# KiCad board poly_kb_molecule_16x5.kicad_pcb (continued)
## Routing (per net, layer and track width the routed paths; a pad name or vN(x,y) marks a point on that pad's centre or on a via; arc(x,y) is an arc through that point) (continued)
174.68,64.53 174.68,67.96 174.99,68.27 174.99,68.57 175.45,69.02 175.45,72.12 176.9,73.57 177.92,73.57 179.64,75.29 183.74,75.29 v1(183.8,75.34) ; v1(31.4,37.24) 31.34,37.19 27.24,37.19 25.52,35.47 24.48,35.47 24.02,35 24.02,34.98 23.05,34.02 23.05,30.92 22.59,30.47 22.59,30.17 22.28,29.86 22.28,26.43 22.68,26.03 22.68,24.73 22.81,24.6 23.27,24.6 23.27,24.6 23.49,24.6 23.61,24.72 24.88,24.72 25.02,24.86 ; v1(299.89,63.07) 300.08,62.88 300.08,61.72 301.88,59.92 v1(301.88,59.56) ; 291.72,43.91 291.58,43.77 290.31,43.77 290.19,43.65 289.97,43.65 289.97,43.65 289.51,43.65 289.38,43.78 289.38,45.08 288.98,45.48 288.98,48.91 289.29,49.22 289.29,49.52 289.75,49.97 289.75,53.07 290.72,54.03 290.72,54.06 291.17,54.52 292.22,54.52 293.94,56.24 298.04,56.24 v1(298.1,56.29) ; v1(204.64,82.12) 204.83,81.93 204.83,80.77 206.63,78.97 v1(206.63,78.61) ; 195.47,92.62 196.97,92.62 198.69,94.34 202.79,94.34 v1(202.85,94.39) ; 195.47,92.62 195.47,92.13 194.5,91.17 194.5,88.07 194.04,87.62 194.04,87.32 193.73,87.01 193.73,83.58 194.13,83.18 194.13,81.88 194.26,81.75 194.72,81.75 194.72,81.75 194.94,81.75 195.06,81.87 196.33,81.87 196.47,82.01 ; v1(164.47,25.04) 164.29,24.86 160.74,24.86 ; 275.04,62.96 278.59,62.96 v1(278.77,63.14) ; v1(240.67,82.19) 240.49,82.01 236.94,82.01 ; 63.12,24.86 62.98,24.72 61.71,24.72 61.59,24.6 61.37,24.6 61.37,24.6 60.91,24.6 60.78,24.73 60.78,26.03 60.38,26.43 60.38,29.86 60.69,30.17 60.69,30.47 61.15,30.92 61.15,34.02 62.12,34.98 62.13,34.98 62.13,35.03 62.57,35.47 63.62,35.47 65.34,37.19 69.44,37.19 v1(69.5,37.24) ; v1(149.48,78.61) 149.48,78.97 147.68,80.77 147.68,81.93 v1(147.49,82.12) ; 44.07,82.01 43.93,81.87 42.66,81.87 42.54,81.75 42.32,81.75 42.32,81.75 41.86,81.75 41.73,81.88 41.73,83.18 41.33,83.58 41.33,87.01 41.64,87.32 41.64,87.62 42.1,88.07 42.1,91.17 43.07,92.13 43.07,92.62 ; v1(164.75,56.29) 164.69,56.24 160.59,56.24 158.87,54.52 157.83,54.52 157.37,54.05 157.37,54.03 156.4,53.07 156.4,49.97 155.94,49.52 155.94,49.22 155.63,48.91 155.63,45.48 156.03,45.08 156.03,43.78 156.16,43.65 156.62,43.65 156.62,43.65 156.84,43.65 156.96,43.77 158.23,43.77 158.37,43.91 ; 275.04,82.01 278.59,82.01 v1(278.77,82.19) ; 158.37,24.86 158.23,24.72 156.96,24.72 156.84,24.6 156.62,24.6 156.62,24.6 156.16,24.6 156.03,24.73 156.03,26.03 155.63,26.43 155.63,29.86 155.94,30.17 155.94,30.47 156.4,30.92 156.4,34.02 157.37,34.98 157.37,35.01 157.82,35.47 158.87,35.47 160.59,37.19 164.69,37.19 v1(164.75,37.24) ; v1(259.72,63.14) 259.54,62.96 255.99,62.96 ; v1(88.27,63.14) 88.09,62.96 84.54,62.96 ; v1(221.9,37.24) 221.84,37.19 217.74,37.19 216.02,35.47 214.97,35.47 214.53,35.03 214.53,34.98 214.52,34.98 213.55,34.02 213.55,30.92 213.09,30.47 213.09,30.17 212.78,29.86 212.78,26.43 213.18,26.03 213.18,24.73 213.31,24.6 213.77,24.6 213.77,24.6 213.99,24.6 214.11,24.72 215.38,24.72 215.52,24.86 ; v1(221.62,25.04) 221.44,24.86 217.89,24.86 ; 252.62,92.62 252.62,92.13 251.65,91.17 251.65,88.07 251.19,87.62 251.19,87.32 250.88,87.01 250.88,83.58 251.28,83.18 251.28,81.88 251.41,81.75 251.87,81.75 251.87,81.75 252.09,81.75 252.21,81.87 253.48,81.87 253.62,82.01 ; 103.59,5.81 107.14,5.81 v1(107.32,5.99) ; v1(280.84,44.02) 281.03,43.83 281.03,42.67 282.83,40.87 v1(282.83,40.51) ; v1(126.65,18.19) 126.59,18.14 122.49,18.14 120.77,16.42 119.73,16.42 119.27,15.95 119.27,15.93 118.3,14.97 118.3,11.87 117.84,11.42 117.84,11.12 117.53,10.81 117.53,7.38 117.93,6.98 117.93,5.68 118.06,5.55 118.52,5.55 118.52,5.55 118.74,5.55 118.86,5.67 120.13,5.67 120.27,5.81 ; 63.12,5.81 62.98,5.67 61.71,5.67 61.59,5.55 61.37,5.55 61.37,5.55 60.91,5.55 60.78,5.68 60.78,6.98 60.38,7.38 60.38,10.81 60.69,11.12 60.69,11.42 61.15,11.87 61.15,14.97 62.12,15.93 62.13,15.93 62.13,15.98 62.57,16.42 63.62,16.42 65.34,18.14 69.44,18.14 v1(69.5,18.19) ; v1(185.59,44.02) 185.78,43.83 185.78,42.67 187.58,40.87 v1(187.58,40.51) ; v1(12.07,25.04) 11.89,24.86 8.34,24.86 ; v1(126.37,5.99) 126.19,5.81 122.64,5.81 ; v1(88.55,56.29) 88.49,56.24 84.39,56.24 82.67,54.52 81.63,54.52 81.17,54.05 81.17,54.03 80.2,53.07 80.2,49.97 79.74,49.52 79.74,49.22 79.43,48.91 79.43,45.48 79.83,45.08 79.83,43.78 79.96,43.65 80.42,43.65 80.42,43.65 80.64,43.65 80.76,43.77 82.03,43.77 82.17,43.91 ; v1(14.14,44.02) 14.33,43.83 14.33,42.67 16.13,40.87 v1(16.13,40.51) ; v1(107.32,82.19) 107.14,82.01 103.59,82.01 ; v1(107.6,94.39) 107.54,94.34 103.44,94.34 101.72,92.62 100.22,92.62 ; v1(71.29,82.12) 71.48,81.93 71.48,80.77 73.28,78.97 v1(73.28,78.61) ; v1(299.89,44.02) 300.08,43.83 300.08,42.67 301.88,40.87 v1(301.88,40.51) ; v1(145.42,82.19) 145.24,82.01 141.69,82.01 ; v1(299.89,82.12) 300.08,81.93 300.08,80.77 301.88,78.97 v1(301.88,78.61) ; v1(52.24,5.92) 52.43,5.73 52.43,4.57 54.23,2.77 v1(54.23,2.41) ; v1(69.5,56.29) 69.44,56.24 65.34,56.24 63.62,54.52 62.57,54.52 62.12,54.06 62.12,54.03 61.15,53.07 61.15,49.97 60.69,49.52 60.69,49.22 60.38,48.91 60.38,45.48 60.78,45.08 60.78,43.78 60.91,43.65 61.37,43.65 61.37,43.65 61.59,43.65 61.71,43.77 62.98,43.77 63.12,43.91 ; v1(54.23,78.61) 54.23,78.97 52.43,80.77 52.43,81.93 v1(52.24,82.12) ; v1(259.72,82.19) 259.54,82.01 255.99,82.01 ; 5.97,24.86 5.83,24.72 4.56,24.72 4.44,24.6 4.22,24.6 4.22,24.6 3.76,24.6 3.63,24.73 3.63,26.03 3.23,26.43 3.23,29.86 3.54,30.17 3.54,30.47 4,30.92 4,34.02 4.97,34.98 4.97,35.01 5.42,35.47 6.47,35.47 8.19,37.19 12.29,37.19 v1(12.35,37.24) ; v1(69.22,63.14) 69.04,62.96 65.49,62.96 ; v1(183.8,94.39) 183.74,94.34 179.64,94.34 177.92,92.62 176.42,92.62 ; v1(12.07,82.19) 11.89,82.01 8.34,82.01 ; v1(187.58,59.56) 187.58,59.92 185.78,61.72 185.78,62.88 v1(185.59,63.07) ; J8#4.1 42.87,93.27 42.88,93.27 43.07,93.08 43.07,92.62 ; 233.57,92.62 233.57,92.13 232.6,91.17 232.6,88.07 232.14,87.62 232.14,87.32 231.83,87.01 231.83,83.58 232.23,83.18 232.23,81.88 232.36,81.75 232.82,81.75 232.82,81.75 233.04,81.75 233.16,81.87 234.43,81.87 234.57,82.01 ; 233.57,92.62 233.57,93.08 233.38,93.27 233.37,93.27 J8#7.1 ; v1(187.58,78.61) 187.58,78.97 185.78,80.77 185.78,81.93 v1(185.59,82.12) ; v1(263.78,40.51) 263.78,40.87 261.98,42.67 261.98,43.83 v1(261.79,44.02) ; v1(168.53,59.56) 168.53,59.92 166.73,61.72 166.73,62.88 v1(166.54,63.07) ; 8.34,5.81 11.89,5.81 v1(12.07,5.99) ; 25.02,62.96 24.88,62.82 23.61,62.82 23.49,62.7 23.27,62.7 23.27,62.7 22.81,62.7 22.68,62.83 22.68,64.13 22.28,64.53 22.28,67.96 22.59,68.27 22.59,68.57 23.05,69.02 23.05,72.12 24.5,73.57 25.52,73.57 27.24,75.29 31.34,75.29 v1(31.4,75.34) ; 43.07,92.62 44.57,92.62 46.29,94.34 50.39,94.34 v1(50.45,94.39) ; J8#10.1 176.22,93.27 176.23,93.27 176.42,93.08 176.42,92.62 ; v1(242.74,82.12) 242.93,81.93 242.93,80.77 244.73,78.97 v1(244.73,78.61) ; 291.72,62.96 291.58,62.82 290.31,62.82 290.19,62.7 289.97,62.7 289.97,62.7 289.51,62.7 289.38,62.83 289.38,64.13 288.98,64.53 288.98,67.96 289.29,68.27 289.29,68.57 289.75,69.02 289.75,72.12 290.72,73.08 290.72,73.1 291.18,73.57 292.22,73.57 293.94,75.29 298.04,75.29 v1(298.1,75.34) ; v1(221.62,63.14) 221.44,62.96 217.89,62.96 ; v1(33.19,44.02) 33.38,43.83 33.38,42.67 35.18,40.87 v1(35.18,40.51) ; v1(50.45,18.19) 50.39,18.14 46.29,18.14 44.57,16.42 43.53,16.42 43.07,15.95 43.07,15.93 42.1,14.97 42.1,11.87 41.64,11.42 41.64,11.12 41.33,10.81 41.33,7.38 41.73,6.98 41.73,5.68 41.86,5.55 42.32,5.55 42.32,5.55 42.54,5.55 42.66,5.67 43.93,5.67 44.07,5.81 ; v1(240.95,75.34) 240.89,75.29 236.79,75.29 235.07,73.57 234.02,73.57 233.57,73.11 233.57,73.08 232.6,72.12 232.6,69.02 232.14,68.57 232.14,68.27 231.83,67.96 231.83,64.53 232.23,64.13 232.23,62.83 232.36,62.7 232.82,62.7 232.82,62.7 233.04,62.7 233.16,62.82 234.43,62.82 234.57,62.96 ; v1(206.63,2.41) 206.63,2.77 204.83,4.57 204.83,5.73 v1(204.64,5.92) ; 177.42,5.81 177.28,5.67 176.01,5.67 175.89,5.55 175.67,5.55 175.67,5.55 175.21,5.55 175.08,5.68 175.08,6.98 174.68,7.38 174.68,10.81 174.99,11.12 174.99,11.42 175.45,11.87 175.45,14.97 176.9,16.42 177.92,16.42 179.64,18.14 183.74,18.14 v1(183.8,18.19) ; v1(278.77,25.04) 278.59,24.86 275.04,24.86 ; v1(35.18,78.61) 35.18,78.97 33.38,80.77 33.38,81.93 v1(33.19,82.12) ; v1(130.43,78.61) 130.43,78.97 128.63,80.77 128.63,81.93 v1(128.44,82.12) ; v1(164.47,63.14) 164.29,62.96 160.74,62.96 ; v1(107.6,56.29) 107.54,56.24 103.44,56.24 101.72,54.52 100.7,54.52 99.25,53.07 99.25,49.97 98.79,49.52 98.79,49.22 98.48,48.91 98.48,45.48 98.88,45.08 98.88,43.78 99.01,43.65 99.47,43.65 99.47,43.65 99.69,43.65 99.81,43.77 101.08,43.77 101.22,43.91 ; v1(109.39,82.12) 109.58,81.93 109.58,80.77 111.38,78.97 v1(111.38,78.61) ; v1(147.49,63.07) 147.68,62.88 147.68,61.72 149.48,59.92 v1(149.48,59.56) ; 179.79,82.01 183.34,82.01 v1(183.52,82.19) ; v1(168.53,2.41) 168.53,2.77 166.73,4.57 166.73,5.73 v1(166.54,5.92) ; v1(50.17,25.04) 49.99,24.86 46.44,24.86 ; v1(225.68,78.61) 225.68,78.97 223.88,80.77 223.88,81.93 v1(223.69,82.12) ; v1(279.05,75.34) 278.99,75.29 274.89,75.29 273.17,73.57 272.13,73.57 271.67,73.1 271.67,73.08 270.7,72.12 270.7,69.02 270.24,68.57 270.24,68.27 269.93,67.96 269.93,64.53 270.33,64.13 270.33,62.83 270.46,62.7 270.92,62.7 270.92,62.7 271.14,62.7 271.26,62.82 272.53,62.82 272.67,62.96 ; v1(69.5,75.34) 69.44,75.29 65.34,75.29 63.62,73.57 62.58,73.57 62.12,73.1 62.12,73.08 61.15,72.12 61.15,69.02 60.69,68.57 60.69,68.27 60.38,67.96 60.38,64.53 60.78,64.13 60.78,62.83 60.91,62.7 61.37,62.7 61.37,62.7 61.59,62.7 61.71,62.82 62.98,62.82 63.12,62.96 ; 294.09,62.96 297.64,62.96 v1(297.82,63.14) ; 294.09,24.86 297.64,24.86 v1(297.82,25.04) ; J8#14.1 100.02,93.27 100.03,93.27 100.22,93.08 100.22,92.62 ; v1(69.22,82.19) 69.04,82.01 65.49,82.01 ; v1(261.79,5.92) 261.98,5.73 261.98,4.57 263.78,2.77 v1(263.78,2.41) ; v1(145.42,25.04) 145.24,24.86 141.69,24.86 ; v1(202.85,37.24) 202.79,37.19 198.69,37.19 196.97,35.47 195.97,35.47 195.49,34.98 195.47,34.98 194.5,34.02 194.5,30.92 194.04,30.47 194.04,30.17 193.73,29.86 193.73,26.43 194.13,26.03 194.13,24.73 194.26,24.6 194.72,24.6 194.72,24.6 194.94,24.6 195.06,24.72 196.33,24.72 196.47,24.86 ; 272.67,24.86 272.53,24.72 271.26,24.72 271.14,24.6 270.92,24.6 270.92,24.6 270.46,24.6 270.33,24.73 270.33,26.03 269.93,26.43 269.93,29.86 270.24,30.17 270.24,30.47 270.7,30.92 270.7,34.02 271.67,34.98 271.69,34.98 272.17,35.47 273.17,35.47 274.89,37.19 278.99,37.19 v1(279.05,37.24) ; 65.49,5.81 69.04,5.81 v1(69.22,5.99) ; 46.44,5.81 49.99,5.81 v1(50.17,5.99) ; v1(33.19,63.07) 33.38,62.88 33.38,61.72 35.18,59.92 v1(35.18,59.56) ; 101.22,5.81 101.08,5.67 99.81,5.67 99.69,5.55 99.47,5.55 99.47,5.55 99.01,5.55 98.88,5.68 98.88,6.98 98.48,7.38 98.48,10.81 98.79,11.12 98.79,11.42 99.25,11.87 99.25,14.97 100.7,16.42 101.72,16.42 103.44,18.14 107.54,18.14 v1(107.6,18.19) ; v1(259.72,5.99) 259.54,5.81 255.99,5.81 ; v1(145.42,5.99) 145.24,5.81 141.69,5.81 ; 101.22,62.96 101.08,62.82 99.81,62.82 99.69,62.7 99.47,62.7 99.47,62.7 99.01,62.7 98.88,62.83 98.88,64.13 98.48,64.53 98.48,67.96 98.79,68.27 98.79,68.57 99.25,69.02 99.25,72.12 100.7,73.57 101.72,73.57 103.44,75.29 107.54,75.29 v1(107.6,75.34) ; 65.49,43.91 69.04,43.91 v1(69.22,44.09) ; v1(206.63,40.51) 206.63,40.87 204.83,42.67 204.83,43.83 v1(204.64,44.02) ; v1(145.42,63.14) 145.24,62.96 141.69,62.96 ; 236.94,24.86 240.49,24.86 v1(240.67,25.04) ; 198.84,43.91 202.39,43.91 v1(202.57,44.09) ; 179.79,62.96 183.34,62.96 v1(183.52,63.14) ; v1(240.67,5.99) 240.49,5.81 236.94,5.81 ; 27.39,43.91 30.94,43.91 v1(31.12,44.09) ; v1(31.4,18.19) 31.34,18.14 27.24,18.14 25.52,16.42 24.5,16.42 23.05,14.97 23.05,11.87 22.59,11.42 22.59,11.12 22.28,10.81 22.28,7.38 22.68,6.98 22.68,5.68 22.81,5.55 23.27,5.55 23.27,5.55 23.49,5.55 23.61,5.67 24.88,5.67 25.02,5.81 ; v1(149.48,21.46) 149.48,21.82 147.68,23.62 147.68,24.78 v1(147.49,24.97) ; v1(282.83,2.41) 282.83,2.77 281.03,4.57 281.03,5.73 v1(280.84,5.92) ; v1(73.28,21.46) 73.28,21.82 71.48,23.62 71.48,24.78 v1(71.29,24.97) ; v1(50.17,44.09) 49.99,43.91 46.44,43.91 ; v1(71.29,5.92) 71.48,5.73 71.48,4.57 73.28,2.77 v1(73.28,2.41) ; 122.64,43.91 126.19,43.91 v1(126.37,44.09) ; v1(185.59,24.97) 185.78,24.78 185.78,23.62 187.58,21.82 v1(187.58,21.46) ; v1(109.39,5.92) 109.58,5.73 109.58,4.57 111.38,2.77 v1(111.38,2.41) ; v1(149.48,40.51) 149.48,40.87 147.68,42.67 147.68,43.83 v1(147.49,44.02) ; v1(242.74,63.07) 242.93,62.88 242.93,61.72 244.73,59.92 v1(244.73,59.56) ; v1(14.14,5.92) 14.33,5.73 14.33,4.57 16.13,2.77 v1(16.13,2.41)
  Bottom w0.5: J7#11.1 213.28,0.59 224.87,0.59 J9#7.1 ; J7.1 137.08,0.59 148.67,0.59 J9#4.1 ; J9#8.1 186.77,0.59 175.18,0.59 J7#10.1 ; J7#6.1 232.33,0.59 243.92,0.59 J9#16.1 ; J7#5.1 156.13,0.59 167.72,0.59 J9#12.1 ; J7#14.1 270.43,0.59 282.02,0.59 J9#5.1 ; J7#12.1 194.23,0.59 205.82,0.59 J9#2.1 ; J9#13.1 53.42,0.59 41.83,0.59 J7#4.1 ; J9#3.1 91.52,0.59 79.93,0.59 J7#15.1 ; J7#2.1 251.38,0.59 262.97,0.59 J9.1 ; J7#3.1 98.98,0.59 110.57,0.59 J9#11.1 ; J7#9.1 3.73,0.59 15.32,0.59 J9#10.1 ; J9#9.1 72.47,0.59 60.88,0.59 J7#13.1 ; J7#16.1 289.48,0.59 301.07,0.59 J9#14.1 ; J7#8.1 118.03,0.59 129.62,0.59 J9#6.1 ; J7#7.1 22.78,0.59 34.37,0.59 J9#15.1
/Keyboard/sheet605ED2EB/KeyRow: length 3330.9
  Top w0.254: 191.77,20.57 192.22,20.57 v1(193.15,21.5) 193.71,20.94 194.83,20.94 196.03,19.74 204,19.74 205.14,20.88 205.2,20.88 206.37,22.05 206.91,22.05 208.38,20.57 J4#35.9 ; J4#32.9 265.53,20.57 264.06,22.05 263.52,22.05 262.35,20.88 262.29,20.88 261.15,19.74 253.18,19.74 251.98,20.94 250.86,20.94 v1(250.3,21.5) 249.38,20.57 248.92,20.57 ; J4#29.9 36.93,58.67 35.46,60.15 34.92,60.15 33.75,58.98 33.69,58.98 32.55,57.84 24.58,57.84 23.38,59.04 22.26,59.04 v1(21.7,59.6) 20.77,58.67 20.32,58.67 ; J4#21.9 17.88,39.62 16.41,41.1 15.87,41.1 14.7,39.93 14.64,39.93 13.5,38.79 5.53,38.79 4.33,39.99 3.21,39.99 v1(2.65,40.55) 1.73,39.62 1.27,39.62 ; 115.57,58.67 116.03,58.67 v1(116.95,59.6) 117.51,59.04 118.63,59.04 119.83,57.84 127.8,57.84 128.94,58.98 129,58.98 130.17,60.15 130.71,60.15 132.18,58.67 J4#20.9 ; 153.67,58.67 154.12,58.67 v1(155.05,59.6) 155.61,59.04 156.73,59.04 157.93,57.84 165.9,57.84 167.04,58.98 167.1,58.98 168.27,60.15 168.81,60.15 170.28,58.67 J4#78.9 ; 20.32,1.53 20.77,1.53 v1(21.7,2.45) 22.26,1.89 23.38,1.89 24.58,0.69 32.55,0.69 33.69,1.83 33.75,1.83 34.92,3 35.46,3 36.93,1.53 J4#40.9 ; J4#65.9 189.33,20.57 187.86,22.05 187.32,22.05 186.15,20.88 186.09,20.88 184.95,19.74 176.98,19.74 175.78,20.94 174.66,20.94 v1(174.1,21.5) 173.18,20.57 172.72,20.57 ; J4#79.9 36.93,77.72 35.46,79.2 34.92,79.2 33.75,78.03 33.69,78.03 32.55,76.89 24.58,76.89 23.38,78.09 22.26,78.09 v1(21.7,78.65) 20.77,77.72 20.32,77.72 ; J4#22.9 94.08,1.53 92.61,3 92.07,3 90.9,1.83 90.84,1.83 89.7,0.69 81.73,0.69 80.53,1.89 79.41,1.89 v1(78.85,2.45) 77.92,1.53 77.47,1.53 ; J4#62.9 189.33,1.53 187.86,3 187.32,3 186.15,1.83 186.09,1.83 184.95,0.69 176.98,0.69 175.78,1.89 174.66,1.89 v1(174.1,2.45) 173.18,1.53 172.72,1.53 ; J4#27.9 284.58,77.72 283.11,79.2 282.57,79.2 281.4,78.03 281.34,78.03 280.2,76.89 272.23,76.89 271.03,78.09 269.91,78.09 v1(269.35,78.65) 268.43,77.72 267.97,77.72 ; 58.42,39.62 58.88,39.62 v1(59.8,40.55) 60.36,39.99 61.48,39.99 62.68,38.79 70.65,38.79 71.79,39.93 71.85,39.93 73.02,41.1 73.56,41.1 75.03,39.62 J4#48.9 ; 96.52,1.53 96.97,1.53 v1(97.9,2.45) 98.46,1.89 99.58,1.89 100.78,0.69 108.75,0.69 109.89,1.83 109.95,1.83 111.12,3 111.66,3 113.13,1.53 J4#44.9 ; 287.02,39.62 287.48,39.62 v1(288.4,40.55) 288.96,39.99 290.08,39.99 291.28,38.79 299.25,38.79 300.39,39.93 300.45,39.93 301.62,41.1 302.16,41.1 303.63,39.62 J4#2.9 ; 39.37,58.67 39.83,58.67 v1(40.75,59.6) 41.31,59.04 42.43,59.04 43.63,57.84 51.6,57.84 52.74,58.98 52.8,58.98 53.97,60.15 54.51,60.15 55.98,58.67 J4#42.9 ; 229.87,1.53 230.32,1.53 v1(231.25,2.45) 231.81,1.89 232.93,1.89 234.13,0.69 242.1,0.69 243.24,1.83 243.3,1.83 244.47,3 245.01,3 246.48,1.53 J4#38.9 ; 77.47,58.67 77.92,58.67 v1(78.85,59.6) 79.41,59.04 80.53,59.04 81.73,57.84 89.7,57.84 90.84,58.98 90.9,58.98 92.07,60.15 92.61,60.15 94.08,58.67 J4#57.9 ; 115.57,20.57 116.03,20.57 v1(116.95,21.5) 117.51,20.94 118.63,20.94 119.83,19.74 127.8,19.74 128.94,20.88 129,20.88 130.17,22.05 130.71,22.05 132.18,20.57 J4#5.9 ; J4#19.9 303.63,77.72 302.16,79.2 301.62,79.2 300.45,78.03 300.39,78.03 299.25,76.89 291.28,76.89 290.08,78.09 288.96,78.09 v1(288.4,78.65) 287.48,77.72 287.02,77.72 ; J4#55.9 170.28,77.72 168.81,79.2 168.27,79.2 167.1,78.03 167.04,78.03 165.9,76.89 157.93,76.89 156.73,78.09 155.61,78.09 v1(155.05,78.65) 154.12,77.72 153.67,77.72 ; 77.47,39.62 77.92,39.62 v1(78.85,40.55) 79.41,39.99 80.53,39.99 81.73,38.79 89.7,38.79 90.84,39.93 90.9,39.93 92.07,41.1 92.61,41.1 94.08,39.62 J4#63.9 ; 210.82,1.53 211.28,1.53 v1(212.2,2.45) 212.76,1.89 213.88,1.89 215.08,0.69 223.05,0.69 224.19,1.83 224.25,1.83 225.42,3 225.96,3 227.43,1.53 J4#69.9 ; 96.52,77.72 96.97,77.72 v1(97.9,78.65) 98.46,78.09 99.58,78.09 100.78,76.89 108.75,76.89 109.89,78.03 109.95,78.03 111.12,79.2 111.66,79.2 113.13,77.72 J4#34.9 ; 191.77,1.53 192.22,1.53 v1(193.15,2.45) 193.71,1.89 194.83,1.89 196.03,0.69 204,0.69 205.14,1.83 205.2,1.83 206.37,3 206.91,3 208.38,1.53 J4#15.9 ; J4#71.9 284.58,39.62 283.11,41.1 282.57,41.1 281.4,39.93 281.34,39.93 280.2,38.79 272.23,38.79 271.03,39.99 269.91,39.99 v1(269.35,40.55) 268.43,39.62 267.97,39.62 ; J4#11.9 75.03,58.67 73.56,60.15 73.02,60.15 71.85,58.98 71.79,58.98 70.65,57.84 62.68,57.84 61.48,59.04 60.36,59.04 v1(59.8,59.6) 58.88,58.67 58.42,58.67 ; J4#46.9 189.33,58.67 187.86,60.15 187.32,60.15 186.15,58.98 186.09,58.98 184.95,57.84 176.98,57.84 175.78,59.04 174.66,59.04 v1(174.1,59.6) 173.18,58.67 172.72,58.67 ; 248.92,39.62 249.38,39.62 v1(250.3,40.55) 250.86,39.99 251.98,39.99 253.18,38.79 261.15,38.79 262.29,39.93 262.35,39.93 263.52,41.1 264.06,41.1 265.53,39.62 J4#18.9 ; J4#67.9 36.93,20.57 35.46,22.05 34.92,22.05 33.75,20.88 33.69,20.88 32.55,19.74 24.58,19.74 23.38,20.94 22.26,20.94 v1(21.7,21.5) 20.77,20.57 20.32,20.57 ; 191.77,58.67 192.22,58.67 v1(193.15,59.6) 193.71,59.04 194.83,59.04 196.03,57.84 204,57.84 205.14,58.98 205.2,58.98 206.37,60.15 206.91,60.15 208.38,58.67 J4#9.9 ; J4#53.9 55.98,77.72 54.51,79.2 53.97,79.2 52.8,78.03 52.74,78.03 51.6,76.89 43.63,76.89 42.43,78.09 41.31,78.09 v1(40.75,78.65) 39.83,77.72 39.37,77.72 ; 191.77,39.62 192.22,39.62 v1(193.15,40.55) 193.71,39.99 194.83,39.99 196.03,38.79 204,38.79 205.14,39.93 205.2,39.93 206.37,41.1 206.91,41.1 208.38,39.62 J4#50.9 ; 115.57,39.62 116.03,39.62 v1(116.95,40.55) 117.51,39.99 118.63,39.99 119.83,38.79 127.8,38.79 128.94,39.93 129,39.93 130.17,41.1 130.71,41.1 132.18,39.62 J4#23.9 ; 267.97,20.57 268.43,20.57 v1(269.35,21.5) 269.91,20.94 271.03,20.94 272.23,19.74 280.2,19.74 281.34,20.88 281.4,20.88 282.57,22.05 283.11,22.05 284.58,20.57 J4#64.9 ; 20.32,39.62 20.77,39.62 v1(21.7,40.55) 22.26,39.99 23.38,39.99 24.58,38.79 32.55,38.79 33.69,39.93 33.75,39.93 34.92,41.1 35.46,41.1 36.93,39.62 J4#52.9 ; 39.37,20.57 39.83,20.57 v1(40.75,21.5) 41.31,20.94 42.43,20.94 43.63,19.74 51.6,19.74 52.74,20.88 52.8,20.88 53.97,22.05 54.51,22.05 55.98,20.57 J4#76.9 ; 96.52,58.67 96.97,58.67 v1(97.9,59.6) 98.46,59.04 99.58,59.04 100.78,57.84 108.75,57.84 109.89,58.98 109.95,58.98 111.12,60.15 111.66,60.15 113.13,58.67 J4#16.9 ; 248.92,58.67 249.38,58.67 v1(250.3,59.6) 250.86,59.04 251.98,59.04 253.18,57.84 261.15,57.84 262.29,58.98 262.35,58.98 263.52,60.15 264.06,60.15 265.53,58.67 J4#39.9 ; 172.72,39.62 173.18,39.62 v1(174.1,40.55) 174.66,39.99 175.78,39.99 176.98,38.79 184.95,38.79 186.09,39.93 186.15,39.93 187.32,41.1 187.86,41.1 189.33,39.62 J4#7.9 ; 210.82,20.57 211.28,20.57 v1(212.2,21.5) 212.76,20.94 213.88,20.94 215.08,19.74 223.05,19.74 224.19,20.88 224.25,20.88 225.42,22.05 225.96,22.05 227.43,20.57 J4#13.9 ; 58.42,20.57 58.88,20.57 v1(59.8,21.5) 60.36,20.94 61.48,20.94 62.68,19.74 70.65,19.74 71.79,20.88 71.85,20.88 73.02,22.05 73.56,22.05 75.03,20.57 J4#56.9 ; 248.92,77.72 249.38,77.72 v1(250.3,78.65) 250.86,78.09 251.98,78.09 253.18,76.89 261.15,76.89 262.29,78.03 262.35,78.03 263.52,79.2 264.06,79.2 265.53,77.72 J4#60.9 ; 229.87,58.67 230.32,58.67 v1(231.25,59.6) 231.81,59.04 232.93,59.04 234.13,57.84 242.1,57.84 243.24,58.98 243.3,58.98 244.47,60.15 245.01,60.15 246.48,58.67 J4#54.9 ; J4#26.9 75.03,77.72 73.56,79.2 73.02,79.2 71.85,78.03 71.79,78.03 70.65,76.89 62.68,76.89 61.48,78.09 60.36,78.09 v1(59.8,78.65) 58.88,77.72 58.42,77.72 ; 96.52,39.62 96.97,39.62 v1(97.9,40.55) 98.46,39.99 99.58,39.99 100.78,38.79 108.75,38.79 109.89,39.93 109.95,39.93 111.12,41.1 111.66,41.1 113.13,39.62 J4#33.9 ; J4#30.9 94.08,77.72 92.61,79.2 92.07,79.2 90.9,78.03 90.84,78.03 89.7,76.89 81.73,76.89 80.53,78.09 79.41,78.09 v1(78.85,78.65) 77.92,77.72 77.47,77.72 ; J4#6.9 246.48,39.62 245.01,41.1 244.47,41.1 243.3,39.93 243.24,39.93 242.1,38.79 234.13,38.79 232.93,39.99 231.81,39.99 v1(231.25,40.55) 230.32,39.62 229.87,39.62 ; J4#25.9 75.03,1.53 73.56,3 73.02,3 71.85,1.83 71.79,1.83 70.65,0.69 62.68,0.69 61.48,1.89 60.36,1.89 v1(59.8,2.45) 58.88,1.53 58.42,1.53 ; 134.62,1.53 135.07,1.53 v1(136,2.45) 136.56,1.89 137.68,1.89 138.88,0.69 146.85,0.69 147.99,1.83 148.05,1.83 149.22,3 149.76,3 151.23,1.53 J4#77.9 ; 287.02,20.57 287.48,20.57 v1(288.4,21.5) 288.96,20.94 290.08,20.94 291.28,19.74 299.25,19.74 300.39,20.88 300.45,20.88 301.62,22.05 302.16,22.05 303.63,20.57 J4#75.9 ; J4#4.9 227.43,58.67 225.96,60.15 225.42,60.15 224.25,58.98 224.19,58.98 223.05,57.84 215.08,57.84 213.88,59.04 212.76,59.04 v1(212.2,59.6) 211.28,58.67 210.82,58.67 ; 1.27,1.53 1.73,1.53 v1(2.65,2.45) 3.21,1.89 4.33,1.89 5.53,0.69 13.5,0.69 14.64,1.83 14.7,1.83 15.87,3 16.41,3 17.88,1.53 J4#17.9 ; 191.77,77.72 192.22,77.72 v1(193.15,78.65) 193.71,78.09 194.83,78.09 196.03,76.89 204,76.89 205.14,78.03 205.2,78.03 206.37,79.2 206.91,79.2 208.38,77.72 J4#49.9 ; J4#31.9 303.63,1.53 302.16,3 301.62,3 300.45,1.83 300.39,1.83 299.25,0.69 291.28,0.69 290.08,1.89 288.96,1.89 v1(288.4,2.45) 287.48,1.53 287.02,1.53 ; 134.62,58.67 135.07,58.67 v1(136,59.6) 136.56,59.04 137.68,59.04 138.88,57.84 146.85,57.84 147.99,58.98 148.05,58.98 149.22,60.15 149.76,60.15 151.23,58.67 J4#14.9 ; 172.72,77.72 173.18,77.72 v1(174.1,78.65) 174.66,78.09 175.78,78.09 176.98,76.89 184.95,76.89 186.09,78.03 186.15,78.03 187.32,79.2 187.86,79.2 189.33,77.72 J4#43.9 ; 134.62,39.62 135.07,39.62 v1(136,40.55) 136.56,39.99 137.68,39.99 138.88,38.79 146.85,38.79 147.99,39.93 148.05,39.93 149.22,41.1 149.76,41.1 151.23,39.62 J4#61.9 ; J4.9 17.88,77.72 16.41,79.2 15.87,79.2 14.7,78.03 14.64,78.03 13.5,76.89 5.53,76.89 4.33,78.09 3.21,78.09 v1(2.65,78.65) 1.73,77.72 1.27,77.72 ; 39.37,39.62 39.83,39.62 v1(40.75,40.55) 41.31,39.99 42.43,39.99 43.63,38.79 51.6,38.79 52.74,39.93 52.8,39.93 53.97,41.1 54.51,41.1 55.98,39.62 J4#8.9 ; J4#66.9 246.48,77.72 245.01,79.2 244.47,79.2 243.3,78.03 243.24,78.03 242.1,76.89 234.13,76.89 232.93,78.09 231.81,78.09 v1(231.25,78.65) 230.32,77.72 229.87,77.72 ; J4#72.9 17.88,58.67 16.41,60.15 15.87,60.15 14.7,58.98 14.64,58.98 13.5,57.84 5.53,57.84 4.33,59.04 3.21,59.04 v1(2.65,59.6) 1.73,58.67 1.27,58.67 ; J4#73.9 55.98,1.53 54.51,3 53.97,3 52.8,1.83 52.74,1.83 51.6,0.69 43.63,0.69 42.43,1.89 41.31,1.89 v1(40.75,2.45) 39.83,1.53 39.37,1.53 ; 153.67,20.57 154.12,20.57 v1(155.05,21.5) 155.61,20.94 156.73,20.94 157.93,19.74 165.9,19.74 167.04,20.88 167.1,20.88 168.27,22.05 168.81,22.05 170.28,20.57 J4#68.9 ; 153.67,1.53 154.12,1.53 v1(155.05,2.45) 155.61,1.89 156.73,1.89 157.93,0.69 165.9,0.69 167.04,1.83 167.1,1.83 168.27,3 168.81,3 170.28,1.53 J4#28.9 ; J4#45.9 132.18,77.72 130.71,79.2 130.17,79.2 129,78.03 128.94,78.03 127.8,76.89 119.83,76.89 118.63,78.09 117.51,78.09 v1(116.95,78.65) 116.03,77.72 115.57,77.72 ; J4#37.9 284.58,58.67 283.11,60.15 282.57,60.15 281.4,58.98 281.34,58.98 280.2,57.84 272.23,57.84 271.03,59.04 269.91,59.04 v1(269.35,59.6) 268.43,58.67 267.97,58.67 ; J4#59.9 227.43,77.72 225.96,79.2 225.42,79.2 224.25,78.03 224.19,78.03 223.05,76.89 215.08,76.89 213.88,78.09 212.76,78.09 v1(212.2,78.65) 211.28,77.72 210.82,77.72 ; J4#3.9 170.28,39.62 168.81,41.1 168.27,41.1 167.1,39.93 167.04,39.93 165.9,38.79 157.93,38.79 156.73,39.99 155.61,39.99 v1(155.05,40.55) 154.12,39.62 153.67,39.62 ; 210.82,39.62 211.28,39.62 v1(212.2,40.55) 212.76,39.99 213.88,39.99 215.08,38.79 223.05,38.79 224.19,39.93 224.25,39.93 225.42,41.1 225.96,41.1 227.43,39.62 J4#24.9 ; J4#70.9 17.88,20.57 16.41,22.05 15.87,22.05 14.7,20.88 14.64,20.88 13.5,19.74 5.53,19.74 4.33,20.94 3.21,20.94 v1(2.65,21.5) 1.73,20.57 1.27,20.57 ; 267.97,1.53 268.43,1.53 v1(269.35,2.45) 269.91,1.89 271.03,1.89 272.23,0.69 280.2,0.69 281.34,1.83 281.4,1.83 282.57,3 283.11,3 284.58,1.53 J4#41.9 ; J4#58.9 151.23,77.72 149.76,79.2 149.22,79.2 148.05,78.03 147.99,78.03 146.85,76.89 138.88,76.89 137.68,78.09 136.56,78.09 v1(136,78.65) 135.07,77.72 134.62,77.72 ; J4#36.9 151.23,20.57 149.76,22.05 149.22,22.05 148.05,20.88 147.99,20.88 146.85,19.74 138.88,19.74 137.68,20.94 136.56,20.94 v1(136,21.5) 135.07,20.57 134.62,20.57 ; J4#12.9 132.18,1.53 130.71,3 130.17,3 129,1.83 128.94,1.83 127.8,0.69 119.83,0.69 118.63,1.89 117.51,1.89 v1(116.95,2.45) 116.03,1.53 115.57,1.53 ; J4#74.9 246.48,20.57 245.01,22.05 244.47,22.05 243.3,20.88 243.24,20.88 242.1,19.74 234.13,19.74 232.93,20.94 231.81,20.94 v1(231.25,21.5) 230.32,20.57 229.87,20.57 ; 248.92,1.53 249.38,1.53 v1(250.3,2.45) 250.86,1.89 251.98,1.89 253.18,0.69 261.15,0.69 262.29,1.83 262.35,1.83 263.52,3 264.06,3 265.53,1.53 J4#51.9 ; J4#47.9 94.08,20.57 92.61,22.05 92.07,22.05 90.9,20.88 90.84,20.88 89.7,19.74 81.73,19.74 80.53,20.94 79.41,20.94 v1(78.85,21.5) 77.92,20.57 77.47,20.57 ; J4#80.9 303.63,58.67 302.16,60.15 301.62,60.15 300.45,58.98 300.39,58.98 299.25,57.84 291.28,57.84 290.08,59.04 288.96,59.04 v1(288.4,59.6) 287.48,58.67 287.02,58.67 ; 96.52,20.57 96.97,20.57 v1(97.9,21.5) 98.46,20.94 99.58,20.94 100.78,19.74 108.75,19.74 109.89,20.88 109.95,20.88 111.12,22.05 111.66,22.05 113.13,20.57 J4#10.9
  Top w1.5: J4#57.9 J3#74.9 ; J4#72.9 J3#30.9 ; J4#17.9 J3#50.9 ; J4#66.9 J3#61.9 ; J4#13.9 J3#44.9 ; J4#56.9 J3#12.9 ; J4#45.9 J3#51.9 ; J4#32.9 J3#37.9 ; J4#24.9 J3#56.9 ; J4#43.9 J3#53.9 ; J4#51.9 J3#10.9 ; J4#8.9 J3#46.9 ; J4#28.9 J3#3.9 ; J4#58.9 J3#23.9 ; J4#60.9 J3#15.9 ; J4#68.9 J3#35.9 ; J4#74.9 J3#48.9 ; J4#48.9 J3#79.9 ; J4#71.9 J3#33.9 ; J4#5.9 J3#11.9 ; J4#54.9 J3#72.9 ; J4#29.9 J3#59.9 ; J4#16.9 J3#2.9 ; J4#35.9 J3#14.9 ; J4#77.9 J3#71.9 ; J4#65.9 J3#63.9 ; J4#25.9 J3#17.9 ; J4#62.9 J3#16.9 ; J4#47.9 J3#42.9 ; J4#20.9 J3#41.9 ; J4#27.9 J3#62.9 ; J4#38.9 J3#5.9 ; J4#34.9 J3#65.9 ; J3#8.9 J4#36.9 ; J4#22.9 J3#67.9 ; J4#15.9 J3#54.9 ; J4#10.9 J3#49.9 ; J4#49.9 J3#70.9 ; J4#50.9 J3#47.9 ; J4#21.9 J3#6.9 ; J4#11.9 J3#27.9 ; J4#59.9 J3#13.9 ; J4#73.9 J3#52.9 ; J4#39.9 J3#60.9 ; J4#67.9 J3#58.9 ; J4#23.9 J3#69.9 ; J4#40.9 J3#9.9 ; J4#41.9 J3#18.9 ; J4#30.9 J3#73.9 ; J4#3.9 J3#36.9 ; J4#44.9 J3#25.9 ; J4#14.9 J3#43.9 ; J4#63.9 J3#55.9 ; J4#69.9 J3#38.9 ; J4#6.9 J3#80.9 ; J4#18.9 J3#34.9 ; J3#64.9 J4#61.9 ; J4#79.9 J3#77.9 ; J4#37.9 J3#75.9 ; J4#78.9 J3#26.9 ; J4#53.9 J3#45.9 ; J4#42.9 J3#21.9 ; J4#64.9 J3#4.9 ; J4#9.9 J3#39.9 ; J4#52.9 J3#22.9 ; J4#70.9 J3#28.9 ; J4#4.9 J3#19.9 ; J4#55.9 J3#68.9 ; J4#46.9 J3#76.9 ; J4#7.9 J3#24.9 ; J4#26.9 J3#32.9 ; J4#33.9 J3#7.9 ; J4#12.9 J3#66.9 ; J4#76.9 J3#78.9 ; J4.9 J3#40.9